# Altium PCB Proyecto_0 - V2.PcbDoc (part 1 of 6) (continued)
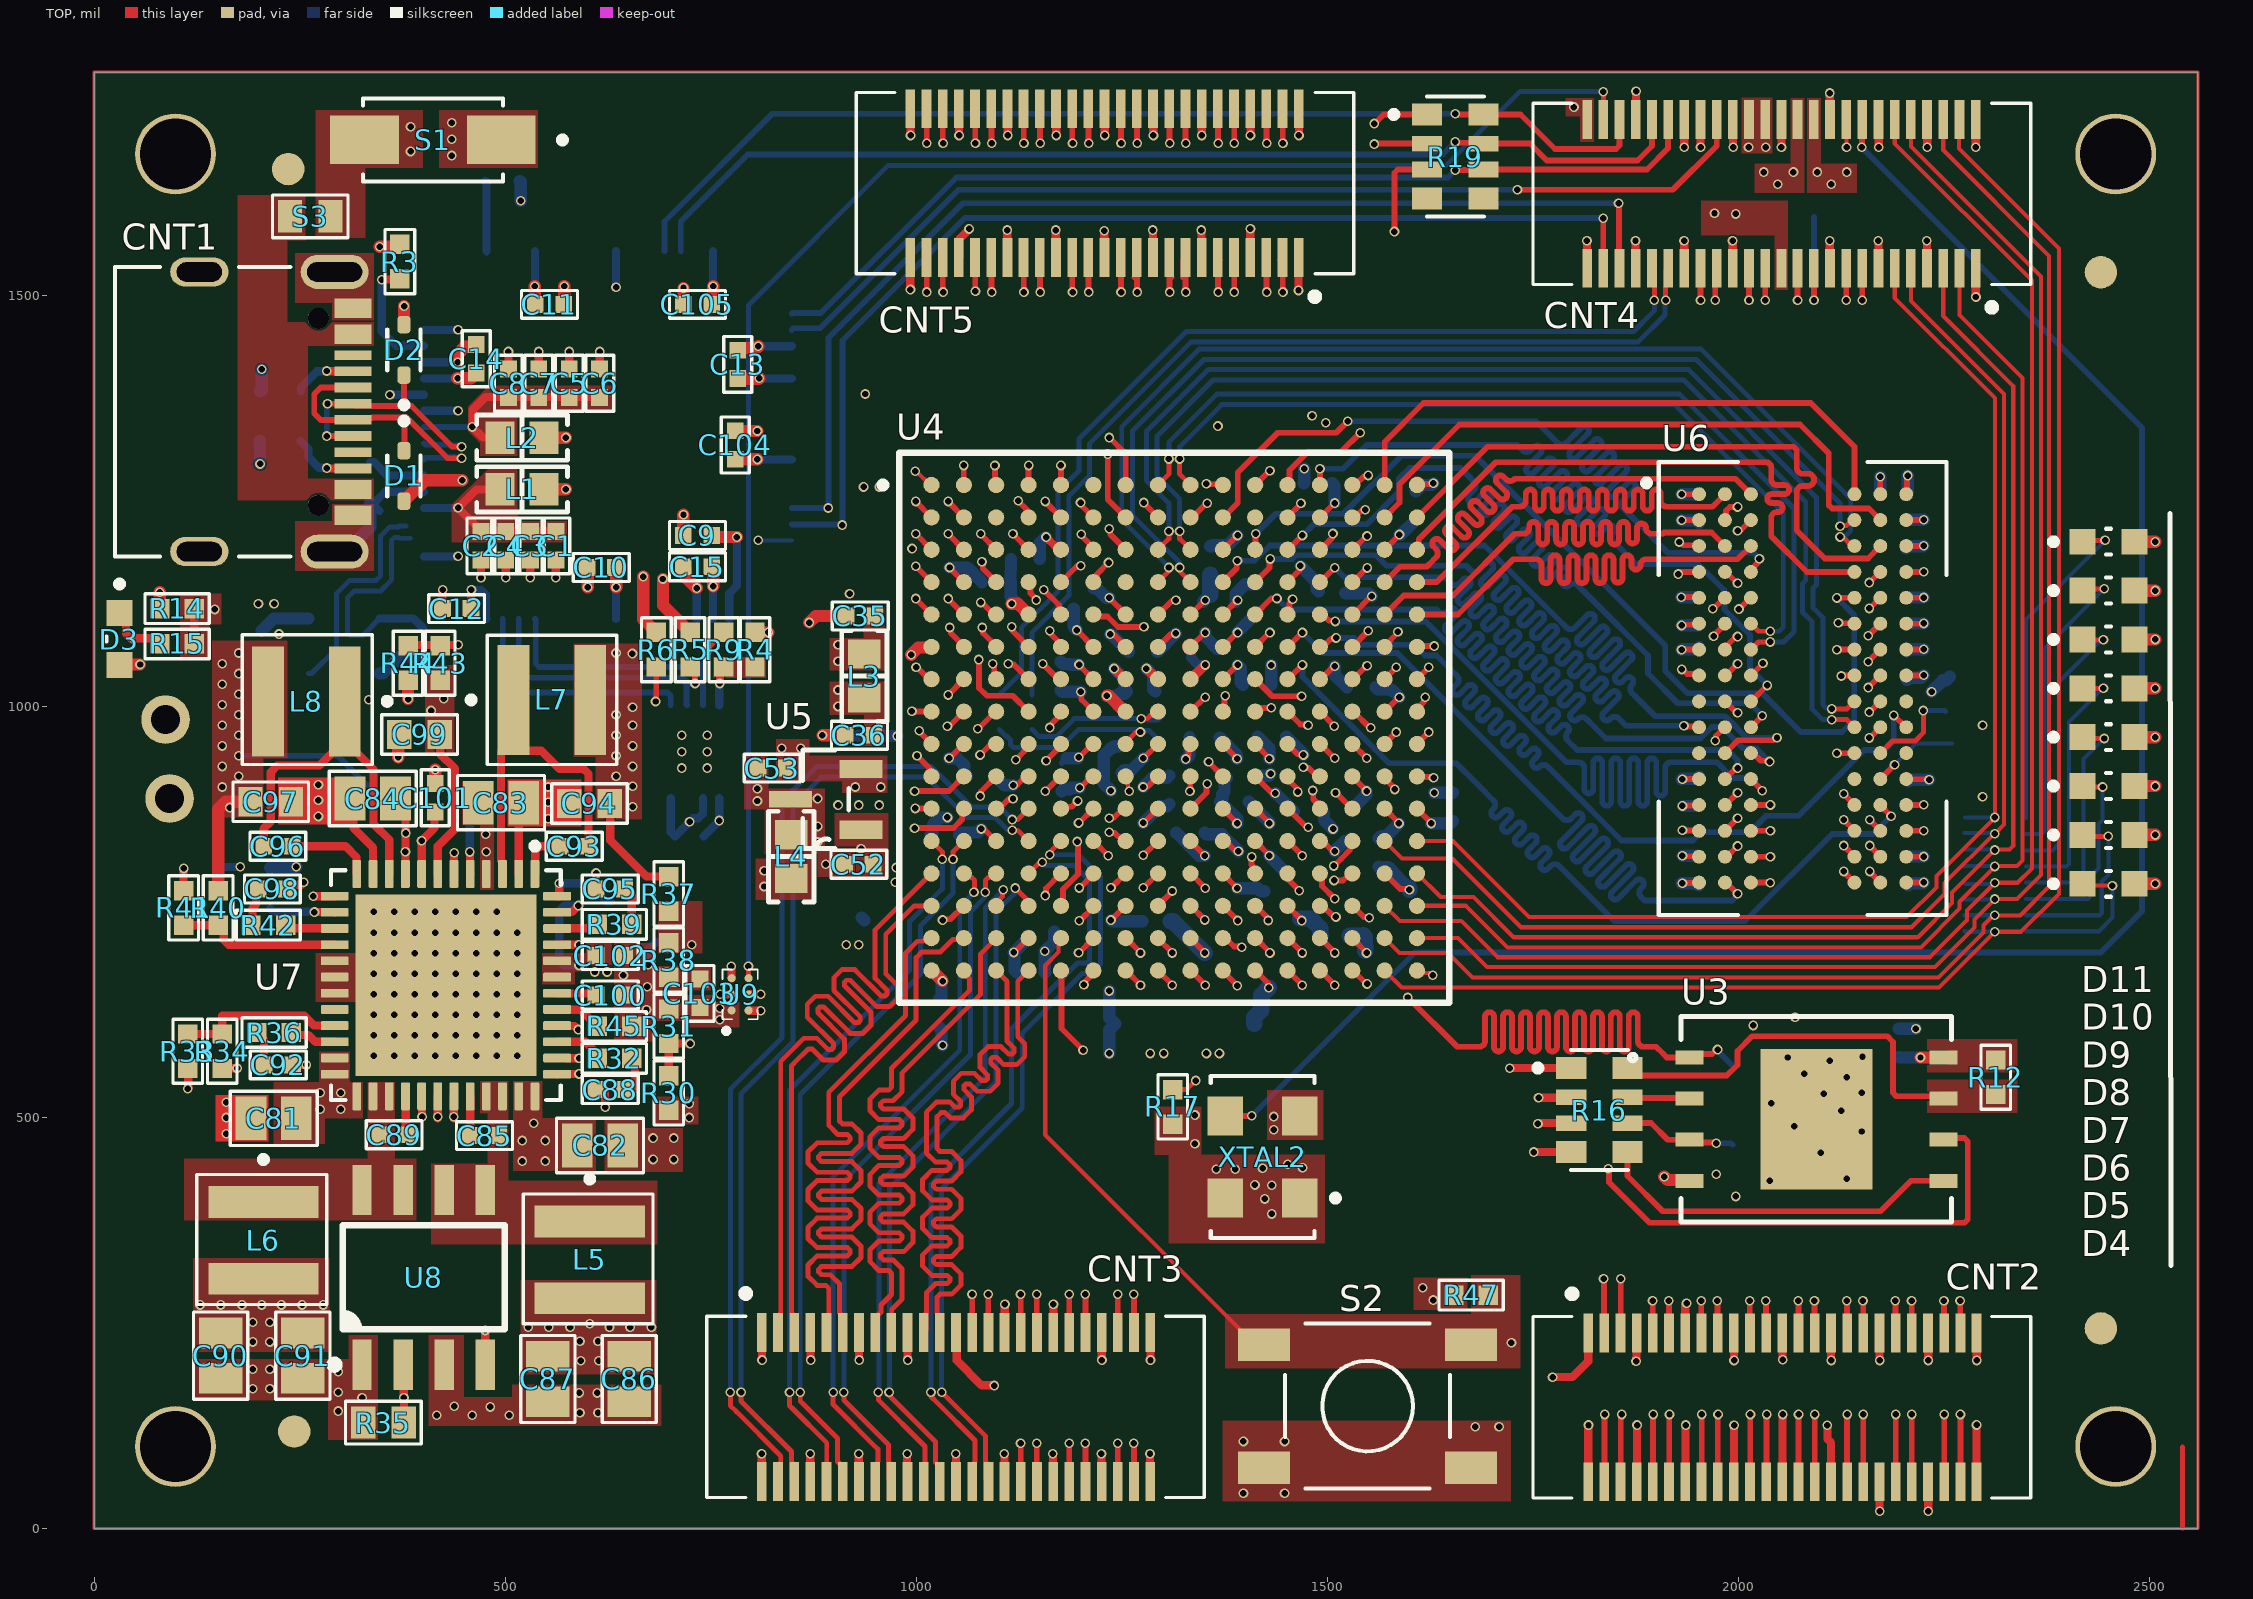
[diagram p0: TOP view]
## Design rules (kind name [scope] priority, off if disabled: settings) (continued)
DiffPairsRouting "Schematic Differential Pairs Routing_2" [InNet('ADC_IN_N')] p20: maxlimit=10 minlimit=7 mostfreqgap=10 toplayer_maxgap=7 toplayer_prefgap=7 toplayer_minwidth=6 toplayer_maxwidth=6 toplayer_prefwidth=6 bottomlayer_maxgap=7 bottomlayer_prefgap=7 bottomlayer_minwidth=6 bottomlayer_maxwidth=6 bottomlayer_prefwidth=6 impedanceprofiledriven=TRUE impedanceprofileid={E70E592B-6717-4881-90EF-383EF7D50643} impedanceprofilevalue=100.000000 maxuncoupledlength=500
DiffPairsRouting "Schematic Differential Pairs Routing_1" [InNet('ADC_IN_P')] p21: maxlimit=10 minlimit=7 mostfreqgap=10 toplayer_maxgap=7 toplayer_prefgap=7 toplayer_minwidth=6 toplayer_maxwidth=6 toplayer_prefwidth=6 bottomlayer_maxgap=7 bottomlayer_prefgap=7 bottomlayer_minwidth=6 bottomlayer_maxwidth=6 bottomlayer_prefwidth=6 impedanceprofiledriven=TRUE impedanceprofileid={E70E592B-6717-4881-90EF-383EF7D50643} impedanceprofilevalue=100.000000 maxuncoupledlength=500
DiffPairsRouting "Schematic Differential Pairs Routing_62" [InNet('USB_DATA_P')] p22: maxlimit=10 minlimit=7 mostfreqgap=10 toplayer_maxgap=7 toplayer_prefgap=7 toplayer_minwidth=7 toplayer_maxwidth=7 toplayer_prefwidth=7 bottomlayer_maxgap=7 bottomlayer_prefgap=7 bottomlayer_minwidth=7 bottomlayer_maxwidth=7 bottomlayer_prefwidth=7 impedanceprofiledriven=TRUE impedanceprofileid={FE4D8C82-CC1B-473A-AE15-ED9870852D9E} impedanceprofilevalue=90.000000 maxuncoupledlength=500
DiffPairsRouting "Schematic Differential Pairs Routing_61" [InNet('IN_Filter_ADC_P')] p23: maxlimit=10 minlimit=7 mostfreqgap=10 toplayer_maxgap=7 toplayer_prefgap=7 toplayer_minwidth=6 toplayer_maxwidth=6 toplayer_prefwidth=6 bottomlayer_maxgap=7 bottomlayer_prefgap=7 bottomlayer_minwidth=6 bottomlayer_maxwidth=6 bottomlayer_prefwidth=6 impedanceprofiledriven=TRUE impedanceprofileid={E70E592B-6717-4881-90EF-383EF7D50643} impedanceprofilevalue=100.000000 maxuncoupledlength=500
DiffPairsRouting "Schematic Differential Pairs Routing_60" [InNet('IN_Filter_ADC_N')] p24: maxlimit=10 minlimit=7 mostfreqgap=10 toplayer_maxgap=7 toplayer_prefgap=7 toplayer_minwidth=6 toplayer_maxwidth=6 toplayer_prefwidth=6 bottomlayer_maxgap=7 bottomlayer_prefgap=7 bottomlayer_minwidth=6 bottomlayer_maxwidth=6 bottomlayer_prefwidth=6 impedanceprofiledriven=TRUE impedanceprofileid={E70E592B-6717-4881-90EF-383EF7D50643} impedanceprofilevalue=100.000000 maxuncoupledlength=500
DiffPairsRouting "Schematic Differential Pairs Routing_59" [InNet('USB_DATA_N')] p25: maxlimit=10 minlimit=7 mostfreqgap=10 toplayer_maxgap=7 toplayer_prefgap=7 toplayer_minwidth=7 toplayer_maxwidth=7 toplayer_prefwidth=7 bottomlayer_maxgap=7 bottomlayer_prefgap=7 bottomlayer_minwidth=7 bottomlayer_maxwidth=7 bottomlayer_prefwidth=7 impedanceprofiledriven=TRUE impedanceprofileid={FE4D8C82-CC1B-473A-AE15-ED9870852D9E} impedanceprofilevalue=90.000000 maxuncoupledlength=500
DiffPairsRouting "Schematic Differential Pairs Routing_58" [InNet('IN_Filter_ADC_P')] p26: maxlimit=10 minlimit=7 mostfreqgap=10 toplayer_maxgap=7 toplayer_prefgap=7 toplayer_minwidth=7 toplayer_maxwidth=7 toplayer_prefwidth=7 bottomlayer_maxgap=7 bottomlayer_prefgap=7 bottomlayer_minwidth=7 bottomlayer_maxwidth=7 bottomlayer_prefwidth=7 impedanceprofiledriven=TRUE impedanceprofileid={FE4D8C82-CC1B-473A-AE15-ED9870852D9E} impedanceprofilevalue=90.000000 maxuncoupledlength=500
DiffPairsRouting "Schematic Differential Pairs Routing_57" [InNet('IN_Filter_ADC_N')] p27: maxlimit=10 minlimit=7 mostfreqgap=10 toplayer_maxgap=7 toplayer_prefgap=7 toplayer_minwidth=7 toplayer_maxwidth=7 toplayer_prefwidth=7 bottomlayer_maxgap=7 bottomlayer_prefgap=7 bottomlayer_minwidth=7 bottomlayer_maxwidth=7 bottomlayer_prefwidth=7 impedanceprofiledriven=TRUE impedanceprofileid={FE4D8C82-CC1B-473A-AE15-ED9870852D9E} impedanceprofilevalue=90.000000 maxuncoupledlength=500
DiffPairsRouting "Schematic Differential Pairs Routing_44" [InNet('UDQS_N')] p28: maxlimit=10 minlimit=7 mostfreqgap=10 toplayer_maxgap=7 toplayer_prefgap=7 toplayer_minwidth=6 toplayer_maxwidth=6 toplayer_prefwidth=6 bottomlayer_maxgap=7 bottomlayer_prefgap=7 bottomlayer_minwidth=6 bottomlayer_maxwidth=6 bottomlayer_prefwidth=6 impedanceprofiledriven=TRUE impedanceprofileid={E70E592B-6717-4881-90EF-383EF7D50643} impedanceprofilevalue=100.000000 maxuncoupledlength=500
DiffPairsRouting "Schematic Differential Pairs Routing_43" [InNet('UDQS_P')] p29: maxlimit=10 minlimit=7 mostfreqgap=10 toplayer_maxgap=7 toplayer_prefgap=7 toplayer_minwidth=6 toplayer_maxwidth=6 toplayer_prefwidth=6 bottomlayer_maxgap=7 bottomlayer_prefgap=7 bottomlayer_minwidth=6 bottomlayer_maxwidth=6 bottomlayer_prefwidth=6 impedanceprofiledriven=TRUE impedanceprofileid={E70E592B-6717-4881-90EF-383EF7D50643} impedanceprofilevalue=100.000000 maxuncoupledlength=500
DiffPairsRouting "Schematic Differential Pairs Routing_42" [InNet('CK_P')] p30: maxlimit=10 minlimit=7 mostfreqgap=10 toplayer_maxgap=7 toplayer_prefgap=7 toplayer_minwidth=6 toplayer_maxwidth=6 toplayer_prefwidth=6 bottomlayer_maxgap=7 bottomlayer_prefgap=7 bottomlayer_minwidth=6 bottomlayer_maxwidth=6 bottomlayer_prefwidth=6 impedanceprofiledriven=TRUE impedanceprofileid={E70E592B-6717-4881-90EF-383EF7D50643} impedanceprofilevalue=100.000000 maxuncoupledlength=500
DiffPairsRouting "Schematic Differential Pairs Routing_41" [InNet('CK_N')] p31: maxlimit=10 minlimit=7 mostfreqgap=10 toplayer_maxgap=7 toplayer_prefgap=7 toplayer_minwidth=6 toplayer_maxwidth=6 toplayer_prefwidth=6 bottomlayer_maxgap=7 bottomlayer_prefgap=7 bottomlayer_minwidth=6 bottomlayer_maxwidth=6 bottomlayer_prefwidth=6 impedanceprofiledriven=TRUE impedanceprofileid={E70E592B-6717-4881-90EF-383EF7D50643} impedanceprofilevalue=100.000000 maxuncoupledlength=500
DiffPairsRouting "Schematic Differential Pairs Routing_25" [InNet('LDQS_N')] p32: maxlimit=10 minlimit=7 mostfreqgap=10 toplayer_maxgap=7 toplayer_prefgap=7 toplayer_minwidth=6 toplayer_maxwidth=6 toplayer_prefwidth=6 bottomlayer_maxgap=7 bottomlayer_prefgap=7 bottomlayer_minwidth=6 bottomlayer_maxwidth=6 bottomlayer_prefwidth=6 impedanceprofiledriven=TRUE impedanceprofileid={E70E592B-6717-4881-90EF-383EF7D50643} impedanceprofilevalue=100.000000 maxuncoupledlength=500
DiffPairsRouting "Schematic Differential Pairs Routing_24" [InNet('LDQS_P')] p33: maxlimit=10 minlimit=7 mostfreqgap=10 toplayer_maxgap=7 toplayer_prefgap=7 toplayer_minwidth=6 toplayer_maxwidth=6 toplayer_prefwidth=6 bottomlayer_maxgap=7 bottomlayer_prefgap=7 bottomlayer_minwidth=6 bottomlayer_maxwidth=6 bottomlayer_prefwidth=6 impedanceprofiledriven=TRUE impedanceprofileid={E70E592B-6717-4881-90EF-383EF7D50643} impedanceprofilevalue=100.000000 maxuncoupledlength=500
DiffPairsRouting ADC_DIFF_FILTERED [InDifferentialPairClass('ADC_DIFF_FILTERED')] p34: maxlimit=10 minlimit=7 mostfreqgap=10 toplayer_maxgap=7 toplayer_prefgap=7 toplayer_minwidth=6 toplayer_maxwidth=6 toplayer_prefwidth=6 bottomlayer_maxgap=7 bottomlayer_prefgap=7 bottomlayer_minwidth=6 bottomlayer_maxwidth=6 bottomlayer_prefwidth=6 impedanceprofiledriven=TRUE impedanceprofileid={E70E592B-6717-4881-90EF-383EF7D50643} impedanceprofilevalue=100.000000 maxuncoupledlength=500
DiffPairsRouting [InDifferentialPairClass('DDR_CK_DIFF')] p35: maxlimit=10 minlimit=7 mostfreqgap=10 toplayer_maxgap=7 toplayer_prefgap=7 toplayer_minwidth=6 toplayer_maxwidth=6 toplayer_prefwidth=6 bottomlayer_maxgap=7 bottomlayer_prefgap=7 bottomlayer_minwidth=6 bottomlayer_maxwidth=6 bottomlayer_prefwidth=6 impedanceprofiledriven=TRUE impedanceprofileid={E70E592B-6717-4881-90EF-383EF7D50643} impedanceprofilevalue=100.000000 maxuncoupledlength=500
HoleSize [All] p1: absolutevalues=TRUE maxlimit=118.11 minlimit=39.37 maxpercent=80.000 minpercent=20.000
HoleToHoleClearance [All] p1: gap=3 allowstackedmicrovias=TRUE
MatchedLengths "Schematic Matched Net Lengths_33" [InNetClass('FPGA_BANK35')] p1: tolerance=400 checknetsindiffpair=FALSE checkdiffpairvsdiffpair=TRUE checkxsignals=TRUE checkothers=TRUE
MatchedLengths "Schematic Matched Net Lengths_32" [InNet('L3_N')] p2: tolerance=400 checknetsindiffpair=TRUE checkdiffpairvsdiffpair=FALSE checkxsignals=FALSE checkothers=FALSE
MatchedLengths "Schematic Matched Net Lengths_31" [InNet('L3_P')] p3: tolerance=400 checknetsindiffpair=TRUE checkdiffpairvsdiffpair=FALSE checkxsignals=FALSE checkothers=FALSE
MatchedLengths "Schematic Matched Net Lengths_30" [InNet('L1_N')] p4: tolerance=400 checknetsindiffpair=TRUE checkdiffpairvsdiffpair=FALSE checkxsignals=FALSE checkothers=FALSE
MatchedLengths "Schematic Matched Net Lengths_29" [InNet('L1_P')] p5: tolerance=400 checknetsindiffpair=TRUE checkdiffpairvsdiffpair=FALSE checkxsignals=FALSE checkothers=FALSE
MatchedLengths "Schematic Matched Net Lengths_28" [InNet('L4_N')] p6: tolerance=400 checknetsindiffpair=TRUE checkdiffpairvsdiffpair=FALSE checkxsignals=FALSE checkothers=FALSE
MatchedLengths "Schematic Matched Net Lengths_27" [InNet('L4_P')] p7: tolerance=400 checknetsindiffpair=TRUE checkdiffpairvsdiffpair=FALSE checkxsignals=FALSE checkothers=FALSE
MatchedLengths "Schematic Matched Net Lengths_26" [InNet('L7_N')] p8: tolerance=400 checknetsindiffpair=TRUE checkdiffpairvsdiffpair=FALSE checkxsignals=FALSE checkothers=FALSE
MatchedLengths "Schematic Matched Net Lengths_25" [InNet('L7_P')] p9: tolerance=400 checknetsindiffpair=TRUE checkdiffpairvsdiffpair=FALSE checkxsignals=FALSE checkothers=FALSE
MatchedLengths "Schematic Matched Net Lengths_24" [InNet('L2_N')] p10: tolerance=400 checknetsindiffpair=TRUE checkdiffpairvsdiffpair=FALSE checkxsignals=FALSE checkothers=FALSE
MatchedLengths "Schematic Matched Net Lengths_23" [InNet('L2_P')] p11: tolerance=400 checknetsindiffpair=TRUE checkdiffpairvsdiffpair=FALSE checkxsignals=FALSE checkothers=FALSE
MatchedLengths "Schematic Matched Net Lengths_22" [InNet('L5_N')] p12: tolerance=400 checknetsindiffpair=TRUE checkdiffpairvsdiffpair=FALSE checkxsignals=FALSE checkothers=FALSE
MatchedLengths "Schematic Matched Net Lengths_21" [InNet('L5_P')] p13: tolerance=400 checknetsindiffpair=TRUE checkdiffpairvsdiffpair=FALSE checkxsignals=FALSE checkothers=FALSE
MatchedLengths "Schematic Matched Net Lengths_20" [InNet('L8_N')] p14: tolerance=400 checknetsindiffpair=TRUE checkdiffpairvsdiffpair=FALSE checkxsignals=FALSE checkothers=FALSE
MatchedLengths "Schematic Matched Net Lengths_19" [InNet('L8_P')] p15: tolerance=400 checknetsindiffpair=TRUE checkdiffpairvsdiffpair=FALSE checkxsignals=FALSE checkothers=FALSE
MatchedLengths "Schematic Matched Net Lengths_18" [InNet('L6_N')] p16: tolerance=400 checknetsindiffpair=TRUE checkdiffpairvsdiffpair=FALSE checkxsignals=FALSE checkothers=FALSE
MatchedLengths "Schematic Matched Net Lengths_17" [InNet('L6_P')] p17: tolerance=400 checknetsindiffpair=TRUE checkdiffpairvsdiffpair=FALSE checkxsignals=FALSE checkothers=FALSE
MatchedLengths "Schematic Matched Net Lengths_13" [InNet('L9_N')] p18: tolerance=400 checknetsindiffpair=TRUE checkdiffpairvsdiffpair=FALSE checkxsignals=FALSE checkothers=FALSE
MatchedLengths "Schematic Matched Net Lengths_12" [InNet('L9_P')] p19: tolerance=400 checknetsindiffpair=TRUE checkdiffpairvsdiffpair=FALSE checkxsignals=FALSE checkothers=FALSE
MatchedLengths "Schematic Matched Net Lengths_11" [InNetClass('FLASH_SPI')] p20: tolerance=150 checknetsindiffpair=FALSE checkdiffpairvsdiffpair=TRUE checkxsignals=TRUE checkothers=TRUE
MatchedLengths "Schematic Matched Net Lengths_10" [InNetClass('FLASH_SPI_T')] p21: tolerance=150 checknetsindiffpair=FALSE checkdiffpairvsdiffpair=TRUE checkxsignals=TRUE checkothers=TRUE
MatchedLengths "Schematic Matched Net Lengths_9" [InNetClass('FPGA_CONFIG_SIGNALS_1')] p22: tolerance=100 checknetsindiffpair=FALSE checkdiffpairvsdiffpair=TRUE checkxsignals=TRUE checkothers=TRUE
MatchedLengths "Schematic Matched Net Lengths_8" [InNetClass('FPGA_CONFIG_SIGNALS_2')] p23: tolerance=100 checknetsindiffpair=FALSE checkdiffpairvsdiffpair=TRUE checkxsignals=TRUE checkothers=TRUE
MatchedLengths "Schematic Matched Net Lengths" [InNetClass('DDR_CTRL')] p24: tolerance=20 checknetsindiffpair=FALSE checkdiffpairvsdiffpair=TRUE checkxsignals=TRUE checkothers=TRUE
MatchedLengths "Schematic Matched Net Lengths_143" [InNet('USB_DATA_P')] p25: tolerance=150 checknetsindiffpair=TRUE checkdiffpairvsdiffpair=FALSE checkxsignals=FALSE checkothers=FALSE
MatchedLengths "Schematic Matched Net Lengths_141" [InNetClass('FPGA_BANK34')] p26: tolerance=400 checknetsindiffpair=FALSE checkdiffpairvsdiffpair=TRUE checkxsignals=TRUE checkothers=TRUE
MatchedLengths "Schematic Matched Net Lengths_130" [InNetClass('FPGA_BANK14')] p27: tolerance=400 checknetsindiffpair=FALSE checkdiffpairvsdiffpair=TRUE checkxsignals=TRUE checkothers=TRUE
MatchedLengths "Schematic Matched Net Lengths_109" [InNetClass('EEPROM_SIGNALS')] p28: tolerance=10 checknetsindiffpair=FALSE checkdiffpairvsdiffpair=TRUE checkxsignals=TRUE checkothers=TRUE
MatchedLengths "Schematic Matched Net Lengths_100" [InNetClass('DDR_ADD/CMD')] p29: tolerance=20 checknetsindiffpair=FALSE checkdiffpairvsdiffpair=TRUE checkxsignals=TRUE checkothers=TRUE
MatchedLengths "Schematic Matched Net Lengths_82" [InNetClass('DDR_DATA(0-7)')] p30: tolerance=10 checknetsindiffpair=FALSE checkdiffpairvsdiffpair=TRUE checkxsignals=TRUE checkothers=TRUE
MatchedLengths "Schematic Matched Net Lengths_81" [InNetClass('DDR_DATA(8-15)')] p31: tolerance=10 checknetsindiffpair=FALSE checkdiffpairvsdiffpair=TRUE checkxsignals=TRUE checkothers=TRUE
MatchedLengths "Schematic Matched Net Lengths_72" [InNet('ADC_IN_P')] p32: tolerance=200 checknetsindiffpair=FALSE checkdiffpairvsdiffpair=TRUE checkxsignals=TRUE checkothers=TRUE
MatchedLengths "Schematic Matched Net Lengths_16" [InNet('ADC_IN_N')] p33: tolerance=200 checknetsindiffpair=FALSE checkdiffpairvsdiffpair=TRUE checkxsignals=TRUE checkothers=TRUE
MatchedLengths "Schematic Matched Net Lengths_15" [InNet('IN_Filter_ADC_P')] p34: tolerance=200 checknetsindiffpair=FALSE checkdiffpairvsdiffpair=TRUE checkxsignals=TRUE checkothers=TRUE
MatchedLengths "Schematic Matched Net Lengths_14" [InNet('IN_Filter_ADC_N')] p35: tolerance=200 checknetsindiffpair=FALSE checkdiffpairvsdiffpair=TRUE checkxsignals=TRUE checkothers=TRUE
MatchedLengths "Schematic Matched Net Lengths_7" [InNet('UDQS_N')] p36: tolerance=1 checknetsindiffpair=FALSE checkdiffpairvsdiffpair=TRUE checkxsignals=TRUE checkothers=TRUE
MatchedLengths "Schematic Matched Net Lengths_6" [InNet('UDQS_P')] p37: tolerance=1 checknetsindiffpair=FALSE checkdiffpairvsdiffpair=TRUE checkxsignals=TRUE checkothers=TRUE
MatchedLengths "Schematic Matched Net Lengths_5" [InNet('LDQS_N')] p38: tolerance=1 checknetsindiffpair=FALSE checkdiffpairvsdiffpair=TRUE checkxsignals=TRUE checkothers=TRUE
MatchedLengths "Schematic Matched Net Lengths_4" [InNet('LDQS_P')] p39: tolerance=1 checknetsindiffpair=FALSE checkdiffpairvsdiffpair=TRUE checkxsignals=TRUE checkothers=TRUE
MatchedLengths "Schematic Matched Net Lengths_3" [InNet('CK_P')] p40: tolerance=1 checknetsindiffpair=FALSE checkdiffpairvsdiffpair=TRUE checkxsignals=TRUE checkothers=TRUE
MatchedLengths "Schematic Matched Net Lengths_2" [InNet('CK_N')] p41: tolerance=1 checknetsindiffpair=FALSE checkdiffpairvsdiffpair=TRUE checkxsignals=TRUE checkothers=TRUE
MatchedLengths "Schematic Matched Net Lengths_1" [InNet('USB_DATA_N')] p42: tolerance=150 checknetsindiffpair=TRUE checkdiffpairvsdiffpair=FALSE checkxsignals=FALSE checkothers=FALSE usedelayunits=TRUE delaytolerance=200.000000
MaxMinImpedance "Schematic Impedance Constraint_12" [InNetClass('100MHz')] p1: minimum=45,00 maximum=55,00
MaxMinImpedance "Schematic Impedance Constraint_11" [InNetClass('FPGA_BANK35')] p2: minimum=45,00 maximum=55,00
MaxMinImpedance "Schematic Impedance Constraint_79" [InNet('L3_N')] p3: minimum=95,00 maximum=105,0
MaxMinImpedance "Schematic Impedance Constraint_78" [InNet('L3_P')] p4: minimum=95,00 maximum=105,0
MaxMinImpedance "Schematic Impedance Constraint_77" [InNet('L1_N')] p5: minimum=95,00 maximum=105,0
MaxMinImpedance "Schematic Impedance Constraint_76" [InNet('L1_P')] p6: minimum=95,00 maximum=105,0
MaxMinImpedance "Schematic Impedance Constraint_75" [InNet('L4_N')] p7: minimum=95,00 maximum=105,0
MaxMinImpedance "Schematic Impedance Constraint_74" [InNet('L4_P')] p8: minimum=95,00 maximum=105,0
MaxMinImpedance "Schematic Impedance Constraint_73" [InNet('L7_N')] p9: minimum=95,00 maximum=105,0
MaxMinImpedance "Schematic Impedance Constraint_72" [InNet('L7_P')] p10: minimum=95,00 maximum=105,0
MaxMinImpedance "Schematic Impedance Constraint_71" [InNet('L2_N')] p11: minimum=95,00 maximum=105,0
MaxMinImpedance "Schematic Impedance Constraint_70" [InNet('L2_P')] p12: minimum=95,00 maximum=105,0
MaxMinImpedance "Schematic Impedance Constraint_69" [InNet('L5_N')] p13: minimum=95,00 maximum=105,0
MaxMinImpedance "Schematic Impedance Constraint_47" [InNet('L5_P')] p14: minimum=95,00 maximum=105,0
MaxMinImpedance "Schematic Impedance Constraint_28" [InNet('L8_N')] p15: minimum=95,00 maximum=105,0
MaxMinImpedance "Schematic Impedance Constraint_24" [InNet('L8_P')] p16: minimum=95,00 maximum=105,0
MaxMinImpedance "Schematic Impedance Constraint_9" [InNet('L6_N')] p17: minimum=95,00 maximum=105,0
MaxMinImpedance "Schematic Impedance Constraint_8" [InNet('L6_P')] p18: minimum=95,00 maximum=105,0
MaxMinImpedance "Schematic Impedance Constraint_6" [InNet('L9_N')] p19: minimum=95,00 maximum=105,0
MaxMinImpedance "Schematic Impedance Constraint_5" [InNet('L9_P')] p20: minimum=95,00 maximum=105,0
MaxMinImpedance "Schematic Impedance Constraint_4" [InNetClass('FLASH_SPI')] p21: minimum=45,00 maximum=55,00
MaxMinImpedance "Schematic Impedance Constraint_3" [InNetClass('FLASH_SPI_T')] p22: minimum=45,00 maximum=55,00
MaxMinImpedance "Schematic Impedance Constraint_2" [InNetClass('FPGA_CONFIG_SIGNALS_1')] p23: minimum=45,00 maximum=55,00
MaxMinImpedance "Schematic Impedance Constraint_1" [InNetClass('FPGA_CONFIG_SIGNALS_2')] p24: minimum=45,00 maximum=55,00
MaxMinImpedance "Schematic Impedance Constraint" [InNetClass('DDR_CTRL')] p25: minimum=45,00 maximum=55,00
MaxMinImpedance "Schematic Impedance Constraint_141" [InNet('IN_Filter_ADC_P')] p26: minimum=95,00 maximum=105,0
MaxMinImpedance "Schematic Impedance Constraint_140" [InNet('IN_Filter_ADC_N')] p27: minimum=95,00 maximum=105,0
MaxMinImpedance "Schematic Impedance Constraint_139" [InNet('USB_DATA_P')] p28: minimum=85,00 maximum=95,00
MaxMinImpedance "Schematic Impedance Constraint_137" [InNetClass('FPGA_BANK34')] p29: minimum=45,00 maximum=55,00
MaxMinImpedance "Schematic Impedance Constraint_122" [InNetClass('DDR_ADD/CMD')] p30: minimum=45,00 maximum=55,00
MaxMinImpedance "Schematic Impedance Constraint_112" [InNetClass('DDR_DATA(8-15)')] p31: minimum=45,00 maximum=55,00
MaxMinImpedance "Schematic Impedance Constraint_107" [InNetClass('FPGA_BANK14')] p32: minimum=45,00 maximum=55,00
MaxMinImpedance "Schematic Impedance Constraint_101" [InNetClass('DDR_DATA(0-7)')] p33: minimum=45,00 maximum=55,00
MaxMinImpedance "Schematic Impedance Constraint_92" [InNetClass('EEPROM_SIGNALS')] p34: minimum=45,00 maximum=55,00
MaxMinImpedance "Schematic Impedance Constraint_7" [InNet('ADC_IN_P')] p35: minimum=95,00 maximum=105,0
MaxMinImpedance "Schematic Impedance Constraint_58" [InNet('CK_P')] p36: minimum=95,00 maximum=105,0
MaxMinImpedance "Schematic Impedance Constraint_57" [InNet('CK_N')] p37: minimum=95,00 maximum=105,0
MaxMinImpedance "Schematic Impedance Constraint_50" [InNet('LDQS_N')] p38: minimum=95,00 maximum=105,0
MaxMinImpedance "Schematic Impedance Constraint_49" [InNet('LDQS_P')] p39: minimum=95,00 maximum=105,0
MaxMinImpedance "Schematic Impedance Constraint_35" [InNet('ADC_IN_N')] p40: minimum=95,00 maximum=105,0
MaxMinImpedance "Schematic Impedance Constraint_14" [InNet('UDQS_N')] p41: minimum=95,00 maximum=105,0
MaxMinImpedance "Schematic Impedance Constraint_13" [InNet('UDQS_P')] p42: minimum=95,00 maximum=105,0
MaxMinImpedance "Schematic Impedance Constraint_10" [InNet('USB_DATA_N')] p43: minimum=85,00 maximum=95,00
MaxMinImpedance DDR_DATA(8-15) [InNetClass('DDR_DATA(8-15)')] p44: minimum=45,00 maximum=55,00
MaxMinImpedance DDR_DATA(0-7) [InNetClass('DDR_DATA(0-7)')] p45: minimum=45,00 maximum=55,00
MaxMinImpedance DDR_CTRL [InNetClass('DDR_CTRL')] p46: minimum=45,00 maximum=55,00
MaxMinImpedance DDR_ADD/CMD [InNetClass('DDR_ADD/CMD')] p47: minimum=45,00 maximum=55,00
MaximumViaCount "Schematic Maximum Via Count Constraint_4" [InNetClass('FLASH_SPI')] p1: limit=2
MaximumViaCount "Schematic Maximum Via Count Constraint_1" [InNetClass('FLASH_SPI_T')] p2: limit=2
MaximumViaCount "Schematic Maximum Via Count Constraint" [InNetClass('DDR_CTRL')] p3: limit=2
MaximumViaCount "Schematic Maximum Via Count Constraint_54" [InNetClass('DDR_DATA(8-15)')] p4: limit=2
MaximumViaCount "Schematic Maximum Via Count Constraint_49" [InNetClass('DDR_ADD/CMD')] p5: limit=2
MaximumViaCount "Schematic Maximum Via Count Constraint_47" [InNetClass('DDR_DATA(0-7)')] p6: limit=2
MaximumViaCount "Schematic Maximum Via Count Constraint_10" [InNet('UDQS_N')] p7: limit=2
MaximumViaCount "Schematic Maximum Via Count Constraint_9" [InNet('UDQS_P')] p8: limit=2
MaximumViaCount "Schematic Maximum Via Count Constraint_6" [InNet('LDQS_N')] p9: limit=2
MaximumViaCount "Schematic Maximum Via Count Constraint_5" [InNet('LDQS_P')] p10: limit=2
MaximumViaCount "Schematic Maximum Via Count Constraint_3" [InNet('CK_P')] p11: limit=2
MaximumViaCount "Schematic Maximum Via Count Constraint_2" [InNet('CK_N')] p12: limit=2
MinimumAnnularRing [All] p1: minimumring=78.74
PasteMaskExpansion [All] p1: expansion=2
PermittedLayers "Schematic Permitted Layers Rule_1" [InNetClass('FLASH_SPI')] p1: toplayerpermitted=FALSE bottomlayerpermitted=FALSE
PermittedLayers "Schematic Permitted Layers Rule" [InNetClass('FLASH_SPI_T')] p2: toplayerpermitted=FALSE bottomlayerpermitted=FALSE
PlaneClearance [All] p1: clearance=6
PlaneConnect [All] p1: planeconnectstyle=Direct reliefexpansion=20 reliefentries=4 reliefconductorwidth=10 reliefairgap=10
PolygonConnect [All] p1: connectstyle=Direct reliefconductorwidth=5 reliefentries=4 polygonreliefangle="90 Angle" airgapwidth=0
RoomDefinition U_USB_Port_FTT [InComponentClass('U_USB_Port_FTT')] p1: confinementstyle=ConfineIn formatcopy=TRUE lockcomponents=FALSE outline -1181.1,-3149.61 818.9,-3149.61 818.9,-2149.61 -1181.1,-2149.61
RoomDefinition U_Power_Supply [InComponentClass('U_Power_Supply')] p2: confinementstyle=ConfineIn formatcopy=TRUE lockcomponents=FALSE outline -1181.1,-3149.61 818.9,-3149.61 818.9,-2149.61 -1181.1,-2149.61
RoomDefinition U_Leds_and_Buttons [InComponentClass('U_Leds_and_Buttons')] p3: confinementstyle=ConfineIn formatcopy=TRUE lockcomponents=FALSE outline -1181.1,-3149.61 818.9,-3149.61 818.9,-2149.61 -1181.1,-2149.61
RoomDefinition U_FPGA_Power&Ports [InComponentClass('U_FPGA_Power&Ports')] p4: confinementstyle=ConfineIn formatcopy=TRUE lockcomponents=FALSE outline -1181.1,-3149.61 818.9,-3149.61 818.9,-2149.61 -1181.1,-2149.61
RoomDefinition U_Flash_Memory [InComponentClass('U_Flash_Memory')] p5: confinementstyle=ConfineIn formatcopy=TRUE lockcomponents=FALSE outline -1181.1,-3149.61 818.9,-3149.61 818.9,-2149.61 -1181.1,-2149.61
RoomDefinition U_DDR_Memory [InComponentClass('U_DDR_Memory')] p6: confinementstyle=ConfineIn formatcopy=TRUE lockcomponents=FALSE outline -1181.1,-3149.61 818.9,-3149.61 818.9,-2149.61 -1181.1,-2149.61
RoomDefinition U_Bank_A-B-C-D [InComponentClass('U_Bank_A-B-C-D')] p7: confinementstyle=ConfineIn formatcopy=TRUE lockcomponents=FALSE outline -1181.1,-3149.61 818.9,-3149.61 818.9,-2149.61 -1181.1,-2149.61
RoutingCorners "Schematic Routing Corners_1" [InNet('USB_DATA_P')] p1: cornerstyle=45-Degree minsetback=100 maxsetback=100
RoutingCorners "Schematic Routing Corners" [InNet('USB_DATA_N')] p2: cornerstyle=45-Degree minsetback=100 maxsetback=100
RoutingCorners [All] p3: cornerstyle=45-Degree minsetback=100 maxsetback=100
RoutingPriority [InNetClass('ADD[14..0]')] p1: routingpriority=0
RoutingVias Signal_vias [All] p1: holewidth=7.87 width=11.81 viastyle="Through Hole" minholewidth=7.87 minwidth=11.81 maxholewidth=7.87 maxwidth=11.81
SolderMaskExpansion [All] p1: expansion=2 istentingtop=FALSE soldermaskfromhole=TRUE
UnpouredPolygon [All] p1: allowshelved=TRUE
Width Width_100MHz [InNetClass('100MHz')] p1: maxlimit=7 minlimit=6 preferedwidth=7 toplayer_minwidth=7 midlayer2_maxwidth=6 midlayer2_prefwidth=6 midlayer6_maxwidth=6 midlayer6_prefwidth=6 bottomlayer_minwidth=7 impedanceprofiledriven=TRUE impedanceprofileid={713964CD-7AE4-42B9-9263-9FE57CD8E892} impedanceprofilevalue=50.000000 minimp=50.000000 maximp=50.000000 favimp=50.000000
Width "Schematic Width Constraint_4" [InNetClass('FPGA_BANK35')] p2: maxlimit=7 minlimit=6 preferedwidth=7 toplayer_minwidth=7 midlayer2_maxwidth=6 midlayer2_prefwidth=6 midlayer6_maxwidth=6 midlayer6_prefwidth=6 bottomlayer_minwidth=7 impedanceprofiledriven=TRUE impedanceprofileid={713964CD-7AE4-42B9-9263-9FE57CD8E892} impedanceprofilevalue=50.000000 minimp=50.000000 maximp=50.000000 favimp=50.000000
Width "Schematic Width Constraint_3" [InNetClass('Leds&ResetButton')] p3: maxlimit=5 minlimit=5 preferedwidth=5
Width "Schematic Width Constraint_2" [InNetClass('FLASH_SPI')] p4: maxlimit=7 minlimit=6 preferedwidth=7 toplayer_minwidth=7 midlayer2_maxwidth=6 midlayer2_prefwidth=6 midlayer6_maxwidth=6 midlayer6_prefwidth=6 bottomlayer_minwidth=7 impedanceprofiledriven=TRUE impedanceprofileid={713964CD-7AE4-42B9-9263-9FE57CD8E892} impedanceprofilevalue=50.000000 minimp=50.000000 maximp=50.000000 favimp=50.000000
Width "Schematic Width Constraint_1" [InNetClass('FLASH_SPI_T')] p5: maxlimit=7 minlimit=6 preferedwidth=7 toplayer_minwidth=7 midlayer2_maxwidth=6 midlayer2_prefwidth=6 midlayer6_maxwidth=6 midlayer6_prefwidth=6 bottomlayer_minwidth=7 impedanceprofiledriven=TRUE impedanceprofileid={713964CD-7AE4-42B9-9263-9FE57CD8E892} impedanceprofilevalue=50.000000 minimp=50.000000 maximp=50.000000 favimp=50.000000
Width Power [InNetClass('Power')] p6: maxlimit=15 minlimit=7 preferedwidth=10
Width FPGA_CONFIG_SIGNAL_1 [InNetClass('FPGA_CONFIG_SIGNALS_1')] p7: maxlimit=7 minlimit=6 preferedwidth=7 toplayer_minwidth=7 midlayer2_maxwidth=6 midlayer2_prefwidth=6 midlayer6_maxwidth=6 midlayer6_prefwidth=6 bottomlayer_minwidth=7 impedanceprofiledriven=TRUE impedanceprofileid={713964CD-7AE4-42B9-9263-9FE57CD8E892} impedanceprofilevalue=50.000000 minimp=50.000000 maximp=50.000000 favimp=50.000000
Width FPGA_CONFIG_SIGNAL_2 [InNetClass('FPGA_CONFIG_SIGNALS_2')] p8: maxlimit=7 minlimit=6 preferedwidth=7 toplayer_minwidth=7 midlayer2_maxwidth=6 midlayer2_prefwidth=6 midlayer6_maxwidth=6 midlayer6_prefwidth=6 bottomlayer_minwidth=7 impedanceprofiledriven=TRUE impedanceprofileid={713964CD-7AE4-42B9-9263-9FE57CD8E892} impedanceprofilevalue=50.000000 minimp=50.000000 maximp=50.000000 favimp=50.000000
Width "Schematic Width Constraint" [InNetClass('DDR_CTRL')] p9: maxlimit=7 minlimit=6 preferedwidth=7 toplayer_minwidth=7 midlayer2_maxwidth=6 midlayer2_prefwidth=6 midlayer6_maxwidth=6 midlayer6_prefwidth=6 bottomlayer_minwidth=7 impedanceprofiledriven=TRUE impedanceprofileid={713964CD-7AE4-42B9-9263-9FE57CD8E892} impedanceprofilevalue=50.000000 minimp=50.000000 maximp=50.000000 favimp=50.000000
Width LEDs [InNetClass('LEDs')] p10: maxlimit=6 minlimit=6 preferedwidth=6
Width Return_connection [InNetClass('Return_connection')] p11: maxlimit=17 minlimit=10 preferedwidth=15
Width Supply_Lines [InNetClass('Supply_Lines')] p12: maxlimit=15 minlimit=7 preferedwidth=10
Width DDR3_DATA_8-15 [InNetClass('DDR_DATA(8-15)')] p13: maxlimit=7 minlimit=6 preferedwidth=7 toplayer_minwidth=7 midlayer2_maxwidth=6 midlayer2_prefwidth=6 midlayer6_maxwidth=6 midlayer6_prefwidth=6 bottomlayer_minwidth=7 impedanceprofiledriven=TRUE impedanceprofileid={713964CD-7AE4-42B9-9263-9FE57CD8E892} impedanceprofilevalue=50.000000 minimp=50.000000 maximp=50.000000 favimp=50.000000
Width FPGA_BANK_14 [InNetClass('FPGA_BANK14')] p14: maxlimit=7 minlimit=6 preferedwidth=7 toplayer_minwidth=7 midlayer2_maxwidth=6 midlayer2_prefwidth=6 midlayer6_maxwidth=6 midlayer6_prefwidth=6 bottomlayer_minwidth=7 impedanceprofiledriven=TRUE impedanceprofileid={713964CD-7AE4-42B9-9263-9FE57CD8E892} impedanceprofilevalue=50.000000 minimp=50.000000 maximp=50.000000 favimp=50.000000
Width DDR3_ADD/CMD [InNetClass('DDR_ADD/CMD')] p15: maxlimit=7 minlimit=6 preferedwidth=7 toplayer_minwidth=7 midlayer2_maxwidth=6 midlayer2_prefwidth=6 midlayer6_maxwidth=6 midlayer6_prefwidth=6 bottomlayer_minwidth=7 impedanceprofiledriven=TRUE impedanceprofileid={713964CD-7AE4-42B9-9263-9FE57CD8E892} impedanceprofilevalue=50.000000 minimp=50.000000 maximp=50.000000 favimp=50.000000
Width FPGA_BANK_34 [InNetClass('FPGA_BANK34')] p16: maxlimit=7 minlimit=6 preferedwidth=7 toplayer_minwidth=7 midlayer2_maxwidth=6 midlayer2_prefwidth=6 midlayer6_maxwidth=6 midlayer6_prefwidth=6 bottomlayer_minwidth=7 impedanceprofiledriven=TRUE impedanceprofileid={713964CD-7AE4-42B9-9263-9FE57CD8E892} impedanceprofilevalue=50.000000 minimp=50.000000 maximp=50.000000 favimp=50.000000
Width DDR3_DATA_0-7 [InNetClass('DDR_DATA(0-7)')] p17: maxlimit=7 minlimit=6 preferedwidth=7 toplayer_minwidth=7 midlayer2_maxwidth=6 midlayer2_prefwidth=6 midlayer6_maxwidth=6 midlayer6_prefwidth=6 bottomlayer_minwidth=7 impedanceprofiledriven=TRUE impedanceprofileid={713964CD-7AE4-42B9-9263-9FE57CD8E892} impedanceprofilevalue=50.000000 minimp=50.000000 maximp=50.000000 favimp=50.000000
Width FPGA_UART [InNetClass('FPGA_UART_SIGNALS')] p18: maxlimit=7 minlimit=6 preferedwidth=7 toplayer_minwidth=7 midlayer2_maxwidth=6 midlayer2_prefwidth=6 midlayer6_maxwidth=6 midlayer6_prefwidth=6 bottomlayer_minwidth=7 impedanceprofiledriven=TRUE impedanceprofileid={713964CD-7AE4-42B9-9263-9FE57CD8E892} impedanceprofilevalue=50.000000 minimp=50.000000 maximp=50.000000 favimp=50.000000
Width EEPROM [InNetClass('EEPROM_SIGNALS')] p19: maxlimit=7 minlimit=6 preferedwidth=7 toplayer_minwidth=7 midlayer2_maxwidth=6 midlayer2_prefwidth=6 midlayer6_maxwidth=6 midlayer6_prefwidth=6 bottomlayer_minwidth=7 impedanceprofiledriven=TRUE impedanceprofileid={713964CD-7AE4-42B9-9263-9FE57CD8E892} impedanceprofilevalue=50.000000 minimp=50.000000 maximp=50.000000 favimp=50.000000
21 further rules are at their usual default settings.

## Classes and differential pairs
net class FPGA_BANK14: K13 L13 M6 M15 N6 N9 N11 N12 N13 P8 P9 P10 P11 P13 P14 R7 R8 R10 R11 R12 R13 R15 R16 RESET T5 T7 T8 T9 T10 T12 T13 T14 T15
net class Leds&ResetButton: +3V3 GND LED0 LED1 LED2 LED3 LED4 LED5 LED6 LED7 LED_1 LED_2 LED_3 LED_4 LED_5 LED_6 LED_7 LED_8 RESET
net class FLASH_SPI_T: QSPI_C\S\ QSPI_CLK QSPI_DATA0_T QSPI_DATA1_T QSPI_DATA2_T QSPI_DATA3_T
net class FPGA_CONFIG_SIGNALS_2: CONFIG_TCK_T CONFIG_TDI_T CONFIG_TMS_T
net class FPGA_CONFIG_SIGNALS_1: CONFIG_TCK CONFIG_TDI CONFIG_TDO CONFIG_TMS
differential pair class USB_DIFF: USB_DATA
differential pair class FPGA_PORT34_DIFF: L1 L2 L3 L4 L5 L6 L7 L8 L9
differential pair class DDR_DATA_DIF: LDQS UDQS
differential pair class DDR_CK_DIFF: CK
differential pair class ADC_DIFF_UNFILTERED: IN_Filter_ADC
differential pair class ADC_DIFF_FILTERED: ADC_IN
net class FPGA_UART_SIGNALS: UART_RX UART_TX
net class FPGA_BANK34: L5 P5
net class FPGA_BANK35: A2 A3 A4 A5 A7 B1 B2 B4 B5 B6 B7 C1 C2 C3 C4 C6 C7 D1 D3 D4 D5 D6 E1 E2 E3 E5 E6 F2 F3 F4 F5 G1 G2 G4 G5 H1 H2 H3 H4 H5 J1 J3 J4 J5 K1 K2 K3 K5 L2 L3
net class FLASH_SPI: QSPI_DATA0 QSPI_DATA1 QSPI_DATA2 QSPI_DATA3
net class EEPROM_SIGNALS: EEPROM_CLK EEPROM_CS EEPROM_DATA
net class DDR_DATA(8-15): DQ8 DQ9 DQ10 DQ11 DQ12 DQ13 DQ14 DQ15
net class DDR_DATA(0-7): DQ0 DQ1 DQ2 DQ3 DQ4 DQ5 DQ6 DQ7
net class DDR_CTRL: C\S\ CKE D\D\R\_\R\E\S\E\T\ LDM ODT UDM
net class DDR_ADD/CMD: ADD0 ADD1 ADD2 ADD3 ADD4 ADD5 ADD6 ADD7 ADD8 ADD9 ADD10 ADD11 ADD12 ADD13 ADD14 BA0 BA1 BA2 C\A\S\ R\A\S\ W\E\
net class 100MHz: 100MHz
component class U_USB_Port_FTT: C1 C2 C3 C4 C5 C6 C7 C8 C9 C10 C11 C12 C13 C14 C15 C16 C17 C18 C104 C105 CNT1 D1 D2 L1 L2 R1 R2 R3 R4 R5 R6 R7 R8 R9 R10 S1 S3 U1 U2 XTAL1
component class U_Power_Supply: C81 C82 C83 C84 C85 C86 C87 C88 C89 C90 C91 C92 C93 C94 C95 C96 C97 C98 C99 C100 C101 C102 C103 L5 L6 L7 L8 R24 R25 R26 R27 R28 R29 R30 R31 R32 R33 R34 R35 R36 R37 R38 R39 R40 R41 R42 R43 R44 R45 U7 U8 U9
component class U_Leds_and_Buttons: D4 D5 D6 D7 D8 D9 D10 D11 R46 R47 S2
component class U_FPGA_Power&Ports: 2 C21 C22 C23 C24 C25 C26 C27 C28 C29 C30 C31 C32 C33 C34 C35 C36 C37 C38 C39 C40 C41 C42 C43 C44 C46 C47 C48 C50 C51 C52 C53 C54 C55 C56 C57 C58 C59 C60 C61 C62 C63 C64 C65 C66 C67 C68 C69 D3 L3 L4 R14 R15 R16 R17 R18 R19 R20 R21 U4 U5 XTAL2
component class U_Flash_Memory: C19 R11 R12 R13 U3
component class U_DDR_Memory: C70 C71 C72 C73 C74 C75 C76 C77 C78 C79 C80 R22 R23 R48 U6
component class U_Bank_A-B-C-D: CNT2 CNT3 CNT4 CNT5 t
differential pair L9: +L9_P -L9_N
differential pair L8: +L8_P -L8_N
differential pair L7: +L7_P -L7_N
differential pair L5: +L5_P -L5_N
differential pair L3: +L3_P -L3_N
differential pair L2: +L2_P -L2_N
differential pair L1: +L1_P -L1_N
differential pair 12MHz_XTAL: +12MHz_XTAL_P -12MHz_XTAL_N
differential pair USB_DATA: +USB_DATA_P -USB_DATA_N
differential pair L6: +L6_P -L6_N
differential pair L4: +L4_P -L4_N
differential pair UDQS: +UDQS_P -UDQS_N
differential pair LDQS: +LDQS_P -LDQS_N
differential pair IN_Filter_ADC: +IN_Filter_ADC_P -IN_Filter_ADC_N
differential pair CK: +CK_P -CK_N
differential pair ADC_IN: +ADC_IN_P -ADC_IN_N

## Components (designator, comment, footprint, x,y, rotation, side; value= is the part's Value field where it differs from the comment)
C1 "0.47uF" CAP0402 561.76,1195.32 r90 top
C2 "0.47uF" CAP0402 470.76,1195.32 r90 top
C3 "4.7uF" CAP0402 530.76,1195.32 r90 top
C4 "4.7uF" CAP0402 500.76,1195.32 r90 top
C5 "0.47uF" CAP0402 578,1393 r270 top
C6 "0.47uF" CAP0402 615,1393 r270 top
C7 "4.7uF" CAP0402 541,1393 r270 top
C8 "4.7uF" CAP0402 504,1393 r270 top
C9 "3.3uF" CAP0402 734,1208 r180 top
C10 "0.1uF" CAP0402 617,1169 r0 top
C11 "0.1uF" CAP0402 554,1489 r180 top
C12 "0.47uF" CAP0402 441.02,1119.02 r0 top
C13 "0.1uF" CAP0402 783,1416 r270 top
C14 "0.1uF" CAP0402 465,1423 r270 top
C15 "0.1uF" CAP0402 734,1170 r0 top
C16 "27pF" CAP0402 204,1075 r270 bottom
C17 "27pF" CAP0402 400,1078 r90 bottom
C18 "0.47uF" CAP0402 724,842 r180 bottom
C19 "0.1uF" CAP0402 2195,591 r270 bottom
C21 "0.47uF" CAP0402 1292.13,738.86 r180 bottom
C22 "0.47uF" CAP0402 1132.73,1179.34 r180 bottom
C23 "0.47uF" CAP0402 1097.35,1151.23 r0 bottom
C24 "4.7uF" CAP0402 1435.73,787.34 r225 bottom
C25 "4.7uF" CAP0402 1078.73,915.34 r180 bottom
C26 "47uF" CAP0805 955.84,1099.44 r270 bottom
C27 "0.47uF" CAP0402 1652.73,878.02 r270 bottom
C28 "0.47uF" CAP0402 1509.73,721.34 r0 bottom
C29 "0.47uF" CAP0402 1333.73,846.34 r180 bottom
C30 "0.47uF" CAP0402 1203.73,1131.34 r45 bottom
C31 "4.7uF" CAP0402 1528.73,856.34 r270 bottom
C32 "4.7uF" CAP0402 1562.73,822.34 r90 bottom
C33 "47uF" CAP0805 1383.56,614 r0 bottom
C34 "47uF" CAP0805 1269.83,614 r180 bottom
C35 "4.7uF" CAP0402 932,1110 r0 top
C36 "0.47uF" CAP0402 931,965 r0 top
C37 "0.1uF" CAP0402 1273.73,1018.34 r0 bottom
C38 "0.47uF" CAP0402 1541.41,1023.34 r0 bottom
C39 "0.47uF" CAP0402 1432.73,963.34 r0 bottom
C40 "0.47uF" CAP0402 1507,1140 r0 bottom
C41 "0.47uF" CAP0402 1607.73,1244.34 r90 bottom
C42 "4.7uF" CAP0402 1488.73,1271.34 r0 bottom
C43 "4.7uF" CAP0402 1357.73,1177.34 r90 bottom
C44 "47uF" CAP0805 1424.56,1329 r0 bottom
C46 "0.47uF" CAP0402 1028,627.32 r90 bottom
C47 "0.47uF" CAP0402 1139.73,676.34 r180 bottom
C48 "0.47uF" CAP0402 1152,727 r180 bottom
C50 "4.7uF" CAP0402 1035,844 r0 bottom